# Altium PCB mainboard3.PcbDoc (part 1 of 2) (continued)
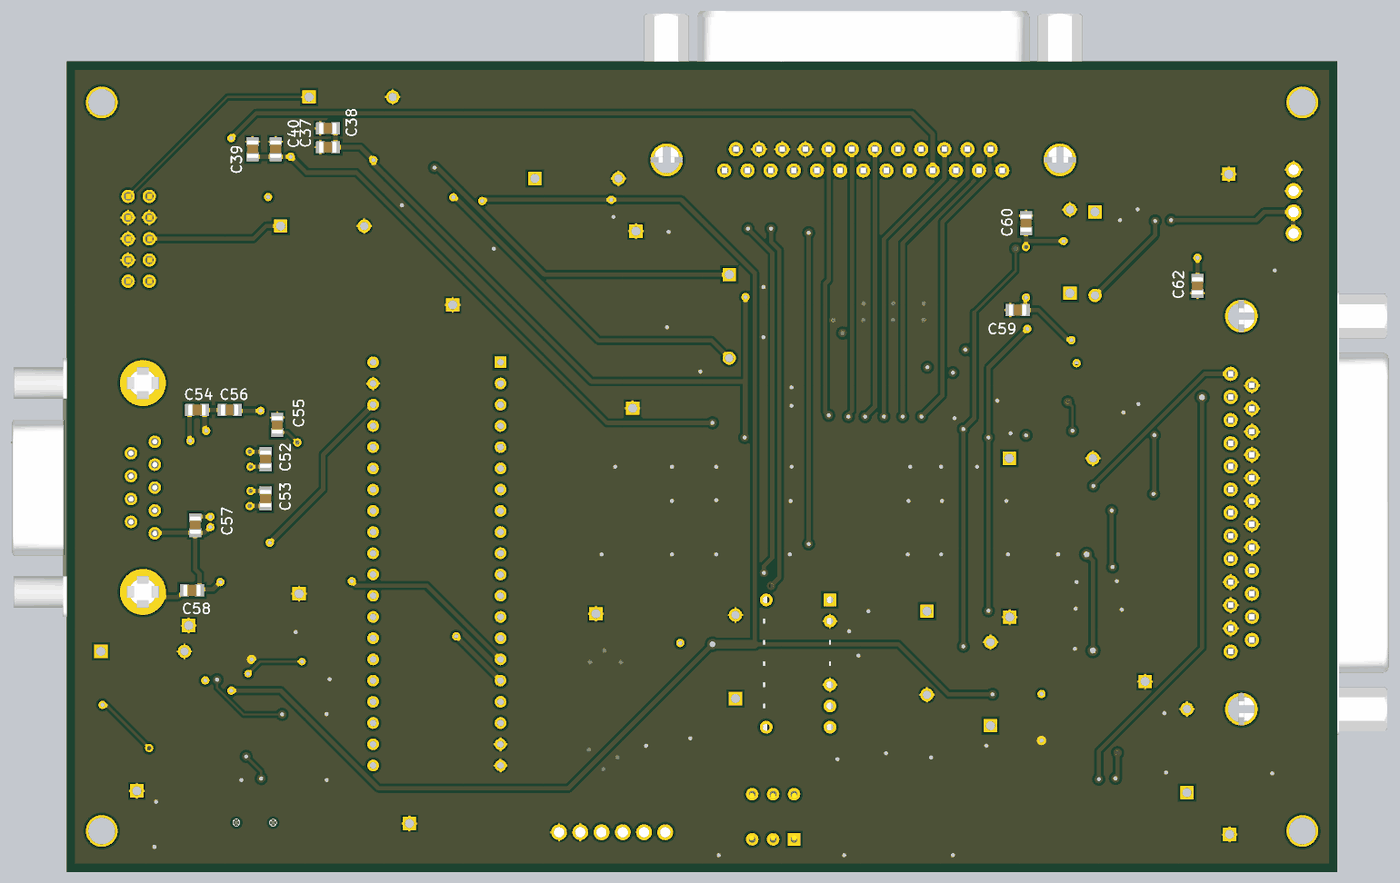
[diagram p6: 3D render of the assembled board from below, using the file's embedded part models]

## Layer stack, top to bottom
Top Solder: solder mask 0.0102, Solder Resist, Dk 3.5
Top Layer: signal copper 0.0356
Dielectric 1: core 0.254, FR-4, Dk 4.2
Signal Layer 1: signal copper 0.036
Dielectric 2: core 0.254, Dk 4.2
Signal Layer 2: signal copper 0.036
Dielectric 3: prepreg 0.127, Dk 4.2
Bottom Layer: signal copper 0.0356
Bottom Solder: solder mask 0.0102, Solder Resist, Dk 3.5

## Board outline
0,0 0,97 152,97 152,0

## Design rules (kind name [scope] priority, off if disabled: settings)
Clearance [All] p1: gap=0.2 ignorepadtopadclearanceinfootprint=TRUE except(0: Arc-Text Track-Text SMDPad-Text THPad-Text Via-Text Fill-Text Poly-Text Region-Text Text-Text Text-Hole; 0.16: Track-Track Track-SMDPad SMDPad-SMDPad; 0.3: Arc-Poly Track-Poly SMDPad-Poly THPad-Poly Via-Poly Fill-Poly Poly-Poly Poly-Region Poly-Hole)
HoleSize [All] p1: absolutevalues=TRUE maxlimit=25.4 minlimit=0.025 maxpercent=80.000 minpercent=20.000
HoleToHoleClearance [All] p1: gap=0.15 allowstackedmicrovias=TRUE
PlaneConnect [All] p1: pad.planeconnectstyle=Relief pad.reliefexpansion=0.508 pad.reliefentries=4 pad.reliefconductorwidth=0.254 pad.reliefairgap=0.254 via.planeconnectstyle=Direct via.reliefexpansion=0.508 via.reliefentries=4 via.reliefconductorwidth=0.254 via.reliefairgap=0.254
PolygonConnect [All] p1: thpad.connectstyle=Relief thpad.reliefconductorwidth=0.254 thpad.reliefentries=4 thpad.polygonreliefangle="90 Angle" thpad.airgapwidth=0.254 smdpad.connectstyle=Relief smdpad.reliefconductorwidth=0.254 smdpad.reliefentries=4 smdpad.polygonreliefangle="90 Angle" smdpad.airgapwidth=0.254 via.connectstyle=Direct via.reliefconductorwidth=0.254 via.reliefentries=4 via.polygonreliefangle="90 Angle" via.airgapwidth=0.254
RoutingVias [All] p1: holewidth=0.5 width=1 viastyle="Through Hole" minholewidth=0.3 minwidth=0.5 maxholewidth=10 maxwidth=10
SilkToSilkClearance [All] p1: silktosilkclearance=0
SilkToSolderMaskClearance [IsPad] p1: minsilkscreentomaskgap=0 clearancetoexposedcopper=TRUE
SolderMaskExpansion [All] p1: expansion=0.102
UnRoutedNet [All] p1: checkbadconnections=TRUE
Width [All] p1: maxlimit=1 minlimit=0.15 preferedwidth=0.5 minimp=50.000000 maximp=50.000000 favimp=50.000000
24 further rules are at their usual default settings.

## Classes and differential pairs
component class U_digital_host_for_ADS1216_power: C1 C2 C3 C4 C5 C6 C7 C8 C9 C10 C11 C12 C13 C14 C15 C16 C17 C18 C19 C20 C21 C22 C23 C31 C32 C42 C43 C44 C45 C46 C47 C59 C60 C61 C62 C63 D1 D2 D3 DA1 DA2 DA3 DA4 DA5 DA6 DA9 DA10 DA11 FU1 J1 J2 K1 L1 L2 L3 R1 R2 R3 R14 R19 R20 R24 R25 R26 R27 R28 R29 R30 R40 R50 R62 R63 R64 R65 R66 R67 TP1 TP2 TP3 TP4 TP5 TP6 TP7 TP11 TP12 VD1
component class multiplexer: C34 C35 C36 C37 C38 C39 C40 C41 C49 C50 C51 DA7 DA8 J5 R12 R13 R15 R16 R17 R18 R32 R33 R34 R35 R36 R37 R38 R39 R41 R42 R43 R44 R45 R46 R47 R52 R53 R54 R55 R56 R57 R58 R59 R60 R61 TP8 TP9 TP10
component class digital_host_for_ADS1216_main: C24 C25 C26 C27 C28 C29 C30 C33 C52 C53 C54 C55 C56 C57 C58 C? DD1 DD2 J4 J6 J7 jc L4 R21 R22 R23 R48 R49 R69 TP13 TP14 TP15 TP16 TP17 TP18 TP19 TP20 TP21 TP22 TP23 TP24 U1
component class "connector to SPI ADS": C48 J3 R4 R5 R6 R7 R8 R9 R10 R11 R51

## Components (designator, comment, footprint, x,y, rotation, side; value= is the part's Value field where it differs from the comment)
C1 "0.1" CAPC2012X90N 55.8,20.7 r90 top
C2 "0.1" CAPC2012X90N 58,20.7 r90 top
C3 "0.1" CAPC2012X90N 53.4,28.9 r0 top
C4 "0.1" CAPC2012X90N 53.4,31.3 r0 top
C5 "0.1" CAPC2012X90N 38.19,54.324 r0 top
C6 "0.1" CAPC2012X90N 58,16.7 r270 top
C7 "0.1" CAPC2012X90N 55.8,16.7 r270 top
C8 "0.1" CAPC2012X90N 44.7,16.5 r270 top
C9 "0.1" CAPC2012X90N 46.9,16.5 r270 top
C10 "0.1" CAPC2012X90N 38.19,56.524 r180 top
C11 "0.1" CAPC2012X90N 39.39,58.824 r180 top
C12 "0.1" CAPC2012X90N 80.4,13.2 r90 top
C13 "0.1" CAPC2012X90N 78.1,13.2 r90 top
C14 "0.1" CAPC2012X90N 75.7,18.4 r0 top
C15 "0.1" CAPC2012X90N 75.7,20.8 r0 top
C16 "0.1" CAPC2012X90N 33.05,12.5 r0 top
C17 "0.1" CAPC2012X90N 33.05,14.683 r180 top
C18 "0.1" CAPC2012X90N 33.05,16.867 r180 top
C19 "0.1" CAPC2012X90N 147.9,13.1 r0 top
C20 "0.1" CAPC2012X90N 147.9,15.3 r180 top
C21 "0.1" CAPC2012X90N 147.8,17.6 r180 top
C22 "0.1" CAPC2012X90N 19.75,74 r180 top
C23 "0.1" CAPC2012X90N 27.5,62.75 r270 top
C24 "0.1" CAPC2012X90N 134.45,25.525 r270 top
C25 "0.1" CAPC2012X90N 122.15,16.3 r270 top
C26 "0.1" CAPC2012X90N 124,12.5 r0 top
C27 "0.1" CAPC2012X90N 131.9,24.575 r270 top
C28 "0.1" CAPC2012X90N 124.95,20.5 r0 top
C29 "0.1" CAPC2012X90N 129.5,20.5 r180 top
C30 "0.1" CAPC2012X90N 138.2,8.4 r180 top
C31 "0.1" CAPC2012X90N 58.25,31.75 r90 top
C32 "0.1" CAPC2012X90N 80.5,26.5 r90 top
C33 "0.1" CAPC2012X90N 122.4,24.225 r90 top
C34 "0.1" CAPC2012X90N 67.5,59 r270 top
C35 "0.1" CAPC2012X90N 77.7,63.4 r270 top
C36 "0.1" CAPC2012X90N 81.5,70.25 r180 top
C37 "0.1" CAPC2012X90N 120.75,86.75 r180 bottom
C38 "0.1" CAPC2012X90N 120.75,89 r180 bottom
C39 "0.1" CAPC2012X90N 129.75,86.5 r270 bottom
C40 "0.1" CAPC2012X90N 127,86.5 r270 bottom
C41 "0.1" CAPC2012X90N 108,86.9 r90 top
C42 "0.1" CAPC2012X90N 75.75,29.75 r0 top
C43 "0.1" CAPC2012X90N 98.5,83.75 r270 top
C44 "0.1" CAPC2012X90N 33.4,65.7 r90 top
C45 "0.1" CAPC2012X90N 36.35,67.3 r180 top
C46 "0.1" CAPC2012X90N 35.6,79 r0 top
C47 "0.1" CAPC2012X90N 38.4,79.8 r90 top
C48 "0.1" CAPC2012X90N 11,12 r0 top
C49 "0.1" CAPC2012X90N 80,79.55 r90 top
C50 "0.1" CAPC2012X90N 111.2,85.1 r90 top
C51 "0.1" CAPC2012X90N 108,80.5 r90 top
C52 "0.1" CAPC2012X90N 128.2,49.4 r270 bottom
C53 "0.1" CAPC2012X90N 128.2,44.7 r270 bottom
C54 "0.1" CAPC2012X90N 136.4,55.3 r180 bottom
C55 "0.1" CAPC2012X90N 126.8,53.5 r90 bottom
C56 "0.1" CAPC2012X90N 132.5,55.3 r180 bottom
C57 "0.1" CAPC2012X90N 136.6,41.5 r90 bottom
C58 "0.1" CAPC2012X90N 137,33.7 r180 bottom
C59 "0.1" CAPC2012X90N 38.25,67.25 r0 bottom
C60 "0.1" CAPC2012X90N 37.25,77.65 r90 bottom
C61 "0.1" CAPC2012X90N 25.75,69.5 r90 top
C62 "0.1" CAPC2012X90N 16.75,70.15 r90 bottom
C63 "0.1" CAPC2012X90N 21,65.25 r180 top
D1 "BAT45S" SOT-23 100.71,79.484 r90 top
D2 "BAT45S" SOT-23 39.25,21.25 r180 top
D3 "BAT45S" SOT-23 136.89,22.916 r270 top
DA1 "DCP010515" NVA7 68.32,17.32 r0 top
DA2 "REG1045V" SOT223_6-127 30.99,57.48 r90 top value=5V
DA3 "REG1045V" SOT223_6-127 25.15,15.5 r90 top value=5V
DA4 "DCP010515" SOIC127P1033X265-12_28N 87.8,19.3 r0 top
DA5 "REG1045V" SOT223_6-127 140.986,16.15 r90 top value=5V
DA6 "MAX61264V096" SO8 16.75,71.79 r0 top value=4V096
DA7 "MAX3375V" SOIC127P1030X265-28N 54.75,67.5 r270 top value=5V
DA8 "OPA4277" SOIC14 120,85.5 r0 top
DA9 "OPA4277" SOIC14 38.5,73.6 r90 top
DA10 "ADP7118ADJ" SOT95P270X145-5N 92.75,79.5 r0 top value=ADJ
DA11 "MAX61622V048" SO8 18.25,62.77 r0 top value=2V048
DD1 "FT234XD" DFN_12-045 128.5,23.35 r180 top
DD2 "ADM3251" SOIC127P1032X265-20N 127.6,47 r0 top (schematic designator DA11)
FU1 "MF-MSMF020" MSMF020 96,86.5 r180 top
J1 "Family" MOLEX_22-27-2061 86.75,4.75 r0 top value=WF6
J2 "Family" MOLEX_22-27-2041 5.25,80.23 r90 top value=WF4
J3 "Family" TYCO_3-1634586-2 11.5,43 r90 top
J4 "=Family" 3M_N2510-6002RB 143.378,75.782 r90 top
J5 "Family" TYCO_3-1634582-2 56.715,85.23 r0 top
J6 "USB_mini" TYCO_1734035-1 129.5,8.5 r0 top
J7 "=Family" TYCO_5747844-5 142.878,46.01 r270 top
K1 "MSB850" MSB850 67.5,6.6 r90 top
L1 "INDM4532X340N" INDM4532X340N 52.4,24.1 r90 top
L2 "INDM4532X340N" INDM4532X340N 51.3,17.4 r180 top
L3 "INDM4532X340N" INDM4532X340N 74.8,13.9 r90 top
L4 "1k" RESC2012X50N 124.925,16.325 r270 top
R1 "1k" RESC2012X70N 34.25,62.5 r0 top
R2 "1k" RESC2012X70N 33.05,19 r180 top
R3 "1k" RESC2012X70N 143,21.5 r0 top
R4 "1k" RESC2012X70N 21,26.5 r180 top
R5 "1k" RESC2012X70N 21,39.7 r180 top
R6 "1k" RESC2012X70N 21,43 r180 top
R7 "1k" RESC2012X70N 21,29.8 r180 top
R8 "1k" RESC2012X70N 21,33.1 r180 top
R9 "1k" RESC2012X70N 21,36.4 r180 top
R10 "1k" RESC2012X70N 17.5,51 r90 top
R11 "1k" RESC2012X70N 21,49.943 r0 top
R12 "1k" RESC2012X70N 46.8,56.775 r90 top
R13 "1k" RESC2012X70N 62.25,79.5 r90 top
R14 "1k" RESC2012X70N 89,79.5 r270 top
R15 "1k" RESC2012X70N 65,79.5 r90 top
R16 "1k" RESC2012X70N 67.75,79.5 r90 top
R17 "1k" RESC2012X70N 73.25,79.5 r90 top
R18 "1k" RESC2012X70N 70.5,79.5 r90 top
R19 "1k" RESC2012X70N 96.75,79.5 r90 top
R20 "1k" RESC2012X70N 99.75,77.5 r180 top
R21 "51" RESC2012X70N 130.5,16.25 r270 top
R22 "51" RESC2012X70N 127.7,16.25 r270 top
R23 "1k" RESC2012X70N 138.15,3 r180 top
R24 "0" RESC2012X70N 45.7,31.2 r180 top
R25 "0" RESC2012X70N 34,52.5 r0 top
R26 "0" RESC2012X70N 44.75,24.25 r90 top
R27 "0" RESC2012X70N 74.8,23.8 r90 top
R28 "0" RESC2012X70N 27.55,9.5 r0 top
R29 "0" RESC2012X70N 147.2,22.2 r180 top
R30 "0" RESC2012X70N 20.85,79.45 r180 top
R32 "10k" RESC2012X70N 132.3,81.69 r90 top
R33 "1k" RESC2012X70N 66.5,62.5 r180 top
R34 "1k" RESC2012X70N 59.5,79.5 r90 top
R35 "1k" RESC2012X70N 56.75,79.5 r90 top
R36 "1k" RESC2012X70N 54,79.5 r90 top
R37 "1k" RESC2012X70N 51.5,79.5 r90 top
R38 "1k" RESC2012X70N 49,79.5 r90 top
R39 "1k" RESC2012X70N 46.25,79.5 r90 top
R40 "0" RESC2012X70N 44.3,71.6 r270 top value=1k
R41 "1k" RESC2012X70N 60.75,57.25 r270 top
R42 "1k" RESC2012X70N 58.5,57.25 r270 top
R43 "1k" RESC2012X70N 76.75,68.5 r180 top
R44 "1k" RESC2012X70N 56.5,57.25 r270 top
R45 "1k" RESC2012X70N 54.25,57.25 r270 top
R46 "1k" RESC2012X70N 52,57.25 r270 top
R47 "1k" RESC2012X70N 49.75,57.25 r270 top
R48 "10k" RESC2012X70N 130.9,59 r0 top (schematic designator R68)
R49 "0" RESC2012X70N 131.4,34.8 r0 top (schematic designator R69)
R50 "0" RESC2012X70N 59.95,4 r0 top value=1k (schematic designator R70)
R51 "1k" RESC2012X70N 11,72 r0 top
R52 "1k" RESC2012X70N 25,85 r0 top
R53 "10k" RESC2012X70N 129.7,81.69 r270 top
R54 "10k" RESC2012X70N 132.3,85.4 r90 top
R55 "10k" RESC2012X70N 126.3,82.96 r90 top
R56 "10k" RESC2012X70N 126.6,89 r270 top
R57 "10k" RESC2012X70N 109,91.05 r90 top
R58 "10k" RESC2012X70N 128.8,90.1 r90 top
R59 "10k" RESC2012X70N 131.1,90.1 r270 top
R60 "20M" RESC2012X70N 66.25,66 r90 top
R61 "20M" RESC2012X70N 65.5,73.75 r90 top
R62 "0" RESC2012X70N 39,64.25 r90 top value=1k
R63 "0" RESC2012X70N 41.4,64.3 r90 top value=1k
R64 "0" RESC2012X70N 42,68.4 r0 top value=1k
R65 "0" RESC2012X70N 25.1,82.4 r0 top value=1k
R66 "0" RESC2012X70N 42.5,79 r180 top value=1k
R67 "0" RESC2012X70N 44.6,75.6 r90 top value=1k
TP1 "OSC_TP" TP2 49.1,31.2 r270 top
TP2 "OSC_TP" TP2 39.25,49.5 r180 top
TP3 "OSC_TP" TP2 41.5,17.5 r90 top
TP4 "OSC_TP" TP2 18,9.5 r90 top
TP5 "OSC_TP" TP2 72,20.75 r90 top
TP6 "OSC_TP" TP2 147.9,26.4 r180 top
TP7 "OSC_TP" TP2 32,69.27 r90 top locked
TP8 "OSC_TP" TP2 126.4,77.3 r180 top
TP9 "OSC_TP" TP2 123,92.75 r180 top
TP10 "OSC_TP" TP2 72.75,71.5 r270 top
TP11 "OSC_TP" TP2 96,83 r180 top
TP12 "OSC_TP" TP2 29,79 r270 top locked
TP13 "GND" TP1 12.9,4.5 r90 top
TP14 "GND" TP1 84.3,55.5 r90 top
TP15 "GND" TP1 83.9,76.7 r90 top
TP16 "GND" TP1 105.816,67.869 r90 top
TP17 "GND" TP1 23,22.8 r90 top
TP18 "GND" TP1 143.6,9.7 r90 top
TP19 "GND" TP1 13,83.5 r90 top
TP20 "GND" TP1 88.7,30.9 r90 top
TP21 "GND" TP1 39.2,30.5 r90 top
TP22 "GND" TP1 111,5.8 r90 top
TP23 "GND" TP1 124.2,33.3 r90 top
TP24 "GND" TP1 137.4,29.5 r90 top
U1 "board STM32F103C8" blue_pill 100.1,61 r0 top value=STM32
VD1 "5V_IN" LED0603 55,4 r0 top

## Footprints (in the part's own frame and the unit in brackets; to place one, negate y for a bottom-side part, rotate by r counter-clockwise, add the part's x,y. Pads: shape width x height; smd on the part's side, far side on the other; paste and mask are expansions set on the pad)
3M_N2510-6002RB [mm] "10 Contacts - Straight .100\" x .100\" Low Profile Four-Wall Header"
  round 1.6 hole 1: 1(-5.08,-1.27) 2(-5.08,1.27) 3(-2.54,-1.27) 4(-2.54,1.27) 5(0,-1.27) 6(0,1.27) 7(2.54,-1.27) 8(2.54,1.27) 9(5.08,-1.27) 10(5.08,1.27)
  silkscreen extent -10.01,-4.85 10.01,4.52, body extent -10.01,-4.06 10.01,4.57, height 9.65
blue_pill [mm] "STM 32F103 board"
  rect 1.4x1.4 hole 0.8: 1(0,0)
  round 1.4 hole 0.8: 2(0,-2.54) 3(0,-5.08) 4(0,-7.62) 5(0,-10.16) 6(0,-12.7) 7(0,-15.24) 8(0,-17.78) 9(0,-20.32) 10(0,-22.86) 11(0,-25.4) 12(0,-27.94) 13(0,-30.48) 14(0,-33.02) 15(0,-35.56) 16(0,-38.1) 17(0,-40.64) 18(0,-43.18) 19(0,-45.72) 20(0,-48.26) 21(15.24,-48.26) 22(15.24,-45.72) 23(15.24,-43.18) 24(15.24,-40.64) 25(15.24,-38.1) 26(15.24,-35.56) 27(15.24,-33.02) 28(15.24,-30.48) 29(15.24,-27.94) 30(15.24,-25.4) 31(15.24,-22.86) 32(15.24,-20.32) 33(15.24,-17.78) 34(15.24,-15.24) 35(15.24,-12.7) 36(15.24,-10.16) 37(15.24,-7.62) 38(15.24,-5.08) 39(15.24,-2.54) 40(15.24,0)
  silkscreen extent -4.38,-51.13 19.62,2.87, body extent -3.81,-50.8 19.05,2.54, height 20
CAPC2012X90N [mm] "Chip Capacitor, Body 2.0x1.25mm, IPC Medium Density"
  rect 1.1x1.45 smd: 1(-0.9,0) 2(0.9,0)
  body extent -1.05,-0.67 1.05,0.68, height 0.9
DFN_12-045 [mm] "0.45mm pitch 12pin"
  rect 0.8x0.25 smd: 1(0,0) 2(0,-0.45) 3(0,-0.9) 4(0,-1.35) 5(0,-1.8) 6(0,-2.25) 7(3,-2.25) 8(3,-1.8) 9(3,-1.35) 10(3,-0.9) 11(3,-0.45) 12(3,0)
  rect 1.6x4 smd: 13(1.5,-1.15)
  silkscreen extent -1.15,-3.4 3.55,1.17, body extent 0,-2.63 3,0.38, height 0.75
INDM4532X340N [mm] "Inductor, Molded Body; 4.5mm L X 3.2mm W, IPC Medium Density"
  rect 1.6x2.1 smd: 1(-2.1,0) 2(2.1,0)
  silkscreen extent -2.25,-1.6 2.25,1.6, body extent -2.25,-1.6 2.25,1.6, height 3.4
LED0603 [mm] "Chip LED 0603, Body 2.25x1mm"
  rect 0.8x1 smd: 1(-0.6,0) 2(1.05,0)
  silkscreen extent 0,-0.5 0,0.5, body extent -0.67,-0.48 1.22,0.48, height 0.95
MOLEX_22-27-2041 [mm] "2.54mm (.100\") Pitch KK® Header, Single Row, Vertical, 4 Circuits"
  round 1.9 hole 1.2: 1(-3.81,0) 2(-1.27,0) 3(1.27,0) 4(3.81,0)
  silkscreen extent -5.08,-2.88 5.08,2.92, body extent -5.08,-2.88 5.08,2.92, height 11.7
MOLEX_22-27-2061 [mm] "2.54mm (.100\") Pitch KK® Header, Single Row, Vertical, 6 Circuits"
  round 1.9 hole 1.2: 1(-6.35,0) 2(-3.81,0) 3(-1.27,0) 4(1.27,0) 5(3.81,0) 6(6.35,0)
  silkscreen extent -7.62,-2.9 7.62,2.9, body extent -7.62,-2.9 7.62,2.9, height 11.7
MSB850 [mm] "Body 8.8x8.8mm, Straight PCB Mounting  SubminiatureToggle SPDT Switch"
  rect 1.5x1.5 hole 0.8: 1(-2.7,2.5)
  round 1.5 hole 0.8: 2(-2.7,0) 3(-2.7,-2.5) 4(2.7,-2.5) 5(2.7,0) 6(2.7,2.5)
  silkscreen extent -4.4,-4.4 4.4,4.4, body extent -4.39,-4.39 4.39,4.39, height 19.26
MSMF020 [mm]
  rect 1.5x3.2 smd: 1(0,0) 2(4.14,0)
  silkscreen extent -1.16,-2 5.34,1.9, body extent -0.29,-1.7 4.44,1.71, height 1.6
NVA7 [mil]
  rect 60x60 hole 32: 1(-300,600)
  round 60 hole 32: 2(-300,500) 5(-300,200) 6(-300,100) 7(-300,0) 8(0,0) 14(0,600)
  silkscreen extent -290,-88 -10,688, body extent -305,-87 15,687, height 215
RESC2012X50N [mm] "Chip Resistor, EIA 0805, Metric 2012, Body 2.0x1.25mm, IPC Medium Density"
  rect 0.95x1.45 smd: 1(-1,0) 2(1,0)
  silkscreen extent 0,-0.55 0,0.55, body extent -1.1,-0.67 1.1,0.68, height 0.5
RESC2012X70N [mm] "Chip Resistor, EIA 0805, Metric 2012, Body 2.0x1.25mm, IPC Medium Density"
  rect 1.05x1.4 smd: 1(-0.95,0) 2(0.95,0)
  silkscreen extent 0,-0.55 0,0.55, body extent -1.1,-0.67 1.1,0.68, height 0.7
SO8 [mil] "SOIC 8, Pitch 1.27mm - Body 4x5mm, IPC Medium Density"
  rect 80x26 smd: 1(0,0) 2(0,-50) 3(0,-100) 4(0,-150) 5(220,-150) 6(220,-100) 7(220,-50) 8(220,0)
  silkscreen extent -75,25 -50,50, body extent -16,-173 228,23, height 69
SOIC14 [mil] "SOIC 14, Pitch 1.27mm - Body 4x8.75mm, IPC Medium Density"
  rect 80x26 smd: 1(-106.3,150) 2(-106.3,100) 3(-106.3,50) 4(-106.3,0) 5(-106.3,-50) 6(-106.3,-100) 7(-106.3,-150) 8(113.7,-150) 9(113.7,-100) 10(113.7,-50) 11(113.7,0) 12(113.7,50) 13(113.7,100) 14(113.7,150)
  silkscreen extent -99,-173 57,188, body extent -119,-172 126,172, height 69
SOIC127P1030X265-28N [mm] "SOIC,1.27mm, Pitch;28 Pin, 7.50mm W X 17.90mm L X 2.65mm H body, IPC Medium Density"
  rect 2.5x0.6 smd: 1(-5.05,8.255) 2(-5.05,6.985) 3(-5.05,5.715) 4(-5.05,4.445) 5(-5.05,3.175) 6(-5.05,1.905) 7(-5.05,0.635) 8(-5.05,-0.635) 9(-5.05,-1.905) 10(-5.05,-3.175) 11(-5.05,-4.445) 12(-5.05,-5.715) 13(-5.05,-6.985) 14(-5.05,-8.255) 15(5.05,-8.255) 16(5.05,-6.985) 17(5.05,-5.715) 18(5.05,-4.445) 19(5.05,-3.175) 20(5.05,-1.905) 21(5.05,-0.635) 22(5.05,0.635) 23(5.05,1.905) 24(5.05,3.175) 25(5.05,4.445) 26(5.05,5.715) 27(5.05,6.985) 28(5.05,8.255)
  silkscreen extent -5.52,-8.95 3.32,9.23, body extent -5.18,-8.95 5.18,8.95, height 2.65
SOIC127P1032X265-20N [mm] "SOIC, 1.27mm pitch; 20 pin, 7.50mm W X 12.80mm L X 2.65mm H body, IPC Medium Density"
  rect 2.2x0.6 smd: 1(-5.15,5.715) 2(-5.15,4.445) 3(-5.15,3.175) 4(-5.15,1.905) 5(-5.15,0.635) 6(-5.15,-0.635) 7(-5.15,-1.905) 8(-5.15,-3.175) 9(-5.15,-4.445) 10(-5.15,-5.715) 11(5.15,-5.715) 12(5.15,-4.445) 13(5.15,-3.175) 14(5.15,-1.905) 15(5.15,-0.635) 16(5.15,0.635) 17(5.15,1.905) 18(5.15,3.175) 19(5.15,4.445) 20(5.15,5.715)
  silkscreen extent -5.52,-6.4 3.32,6.67, body extent -5.18,-6.5 5.18,6.5, height 1.68
SOIC127P1033X265-12_28N [mm] "SOIC, Pitch 1.27mm; 12 Pin of 28, 7.50mm W X 17.90mm L X 2.65mm H body, IPC Medium Density"
  rect 2x0.6 smd: 1(-4.65,8.255) 2(-4.65,6.985) 3(-4.65,5.715) 12(-4.65,-5.715) 13(-4.65,-6.985) 14(-4.65,-8.255) 15(4.65,-8.255) 16(4.65,-6.985) 17(4.65,-5.715) 26(4.65,5.715) 27(4.65,6.985) 28(4.65,8.255)
  silkscreen extent -5.52,-8.95 3.32,9.22, body extent -5.18,-9.05 5.18,9.05, height 1.68
SOT95P270X145-5N [mm] "SOT, 0.95mm Pitch; 5 Pin,1.55mm W X 2.90mm L X 1.45mm H body, IPC Medium Density"
  rect 1.25x0.6 smd: 1(-1.35,0.95) 2(-1.35,0) 3(-1.35,-0.95) 4(1.35,-0.95) 5(1.35,0.95)
  silkscreen extent -1.82,-1.45 0.4,1.87, body extent -1.35,-1.45 1.35,1.45, height 1.45
SOT223_6-127 [mil] "1.27mm pitch 20pin = DCQ6-M(ti)"
  rect 24x93 smd paste+0 mask+0: 1(-100,-118.5) 2(-50,-118.5) 3(0,-118.5) 4(50,-118.5) 5(100,-118.5)
  rect 157.48x157.48 smd: 6(0,90)
  silkscreen extent -134,-103 134,75, body extent -129,-143 129,143, height 71
SOT-23 [mil]
  rect 44x44 smd: 1(0,0) 2(80,0) 3(40,87)
  body extent -22,-4 96,94, height 43
TP1 [mm]
  rect 1.6x1.6 hole 1.1: 1(0,0)
TP2 [mm]
  rect 1.6x1.6 hole 1.1: 1(0,0)
  round 1.6 hole 1: 2(10,0)
  silkscreen extent -1.27,-1.27 11,1.27
TYCO_3-1634582-2 [mm] "Right Angle 25 Male Contacts D-SUB Connector With Boardlock and 4-40 UNC Screwlocks"
  round 1.7 hole 1: 1(16.62,-1.27) 2(13.85,-1.27) 3(11.08,-1.27) 4(8.31,-1.27) 5(5.54,-1.27) 6(2.77,-1.27) 7(0,-1.27) 8(-2.77,-1.27) 9(-5.54,-1.27) 10(-8.31,-1.27) 11(-11.08,-1.27) 12(-13.85,-1.27) 13(-16.62,-1.27) 14(15.235,1.27) 15(12.465,1.27) 16(9.695,1.27) 17(6.925,1.27) 18(4.155,1.27) 19(1.385,1.27) 20(-1.385,1.27) 21(-4.155,1.27) 22(-6.925,1.27) 23(-9.695,1.27) 24(-12.465,1.27) 25(-15.235,1.27)
  round 3.9 hole 3.2: 26(-23.52,0) 27(23.52,0)
  silkscreen extent -26.57,-4.55 26.53,17.8, body extent -26.57,-3.08 26.53,17.8, height 13.57
TYCO_3-1634586-2 [mm] "Right Angle 25 Female Contacts D-SUB Connector With Boardlock and 4-40 UNC Screwlocks"
  round 1.7 hole 1: 1(-16.62,-1.27) 2(-13.85,-1.27) 3(-11.08,-1.27) 4(-8.31,-1.27) 5(-5.54,-1.27) 6(-2.77,-1.27) 7(0,-1.27) 8(2.77,-1.27) 9(5.54,-1.27) 10(8.31,-1.27) 11(11.08,-1.27) 12(13.85,-1.27) 13(16.62,-1.27) 14(-15.235,1.27) 15(-12.465,1.27) 16(-9.695,1.27) 17(-6.925,1.27) 18(-4.155,1.27) 19(-1.385,1.27) 20(1.385,1.27) 21(4.155,1.27) 22(6.925,1.27) 23(9.695,1.27) 24(12.465,1.27) 25(15.235,1.27)
  round 3.9 hole 3.2: 26(-23.52,0) 27(23.52,0)
  silkscreen extent -26.55,-4.55 26.55,17.6, body extent -26.55,-3.28 26.55,17.6, height 13.57
TYCO_1734035-1 [mm] "SMD, Right Angle, 5 Position, Type B, Mini USB Receptacle"
  rect 0.5x2.3 smd: 1(-1.575,0) 2(-0.8,0) 3(0,0) 4(0.8,0) 5(1.6,0)
  rect 2x2.5 smd: 6(-4.45,-5.6) 6(-4.45,-0.1) 6(4.45,-5.6) 6(4.45,-0.1)
  round 0.5 hole 0.9 unplated mask+0.2: MTG1(-2.2,-2.6) MTG2(2.2,-2.6)
  silkscreen extent -4.35,-8.5 4.35,0.7, body extent -4.95,-8.5 4.95,0.7, height 4.14
TYCO_5747844-5 [mm] "Right Angle 9 Female Contacts D-SUB Connector With PCB Mount Retention , Grounding Straps, and Fixed UNC 4-40 Female Screwlocks"
  round 1.5 hole 0.9: 1(-5.48,-1.422) 2(-2.74,-1.422) 3(0,-1.422) 4(2.74,-1.422) 5(5.48,-1.422) 6(-4.11,1.422) 7(-1.37,1.422) 8(1.37,1.422) 9(4.11,1.422)
  round 5.5 hole 3.2: 10(-12.495,0) 11(12.495,0)
  silkscreen extent -15.49,-3.19 15.49,15.6, body extent -15.49,-3.18 15.49,15.71, height 12.55

## Part data
C1 C2 C3 C4 C5 C6 C7 C8 C9 C10 C11 C12 C13 C14 C15 C16 C17 C18 C19 C20 C21 C22 C23 C24 C25 C26 C27 C28 C29 C30 C31 C32 C33 C34 C35 C36 C37 C38 C39 C40 C41 C42 C43 C44 C45 C46 C47 C48 C49 C50 C51 C52 C53 C54 C55 C56 C57 C58 C59 C60 C61 C62 C63: library part "Capacitor - non polarized", "Non-polarised capacitor2012", Dielectric type=X5R, SMD Solders=2, SolderOption=0, THD Solders=0, Vendor=any
D1: library part BAT54S, "Serial Shottky Diode", Package=SOT23, Device=BAT45S, SMD Solders=3, THD Sollders=0, Unut Price=10, Vendor=NXP
D2 D3: library part BAT54C, "Common Cathode 2 Shottky Diode", Package=SOT23, Device=BAT45S, SMD Solders=3, THD Sollders=0, Unut Price=10, Vendor=NXP
DA1: library part DCP020515, "DC/DC 5V to isolated +-15V", Copyright="Copyright (C) 2022 Ultra Librarian. All rights reserved.", Price=1000, Vendor="Texas Instruments"
DA2: library part REG104_5V, "Positive LDO Linear stabilizer 5Vin to 3V3Digital", Package=SOT223-6, Device=REG104, SMD Solder=6, SolderOption=0, THD Solder=0, Unit Price=6, Vendor="Texas Instruments"
DA3: library part REG104_5V, "Positive LDO Linear stabilizer 7V to 5V Analog", Package=SOT223-6, Device=REG104, SMD Solder=6, SolderOption=0, THD Solder=0, Unit Price=6, Vendor="Texas Instruments"
DA4: library part DCP020507U, "DC/DC 5V to isolated +-7V", Copyright="Copyright (C) 2022 Ultra Librarian. All rights reserved.", Price=1000, Vendor="Texas Instruments"
DA5: library part REG104_5V, "Positive LDO Linear stabilizer 7V to 5V Digital", Package=SOT223-6, Device=REG104, SMD Solder=6, SolderOption=0, THD Solder=0, Unit Price=6, Vendor="Texas Instruments"
DA6: library part MAX6126, "Positive LDO Linear stabilizer", Package=SOIC_8, Device=MAX6126, SMD Solder=8, SolderOption=0, THD Solder=0, Unit Price=2000, Vendor=Maxim
DA7: library part MAX337, "Positive LDO Linear stabilizer", Package=SOT223-6, Device=MAX337, SMD Solder=6, SolderOption=0, THD Solder=0, Unit Price=6, Vendor="Texas Instruments"
DA8 DA9: "счетверённый ОУ", Voltage=3..30V/+-1.5..+-15V, Bandwidth=1.3MHz, SolderOption=Norm, Vendor="Texas Instruments"
DA10: library part ADP7118, "Positive LDO Linear stabilizer", Package=SOT23-5, Device=ADP7118, SMD Solder=5, SolderOption=0, THD Solder=0, Unit Price=100, Vendor="Analog Devoces"
DA11: library part MAX6162, "Reference LDO Linear stabilizer", Package=SOIC_8, Device=MAX6162, SMD Solder=8, SolderOption=0, THD Solder=0, Unit Price=2000, Vendor=Maxim
DD1: "USB-UART driver", Package=DFN_12-0.45, Device=FT234XD, SMD Solders=7, THD Solders=0, Unit Price=2, Vendor=FTDI
DD2: "Driver UART-RS232", Package=SOICW20, Device=ADM3251, SMD Solder=20, SolderOption=0, THD Solder=0, Unit_Price=1200, Unit Price=6, Vendor="Analog Devices"
FU1: library part MF-MSMF, "Предохранитель самовосстанавливающийся", Price=20, SolderOption=Norm, Vendor=Bourns
J1: library part WF6, "Connector 4 Male", SMD Solders=0, SolderOption=0, THD Solders=4, Vendor=Molex
J2: library part WF4, "Connector 4 Male", SMD Solders=0, SolderOption=0, THD Solders=4, Vendor=Molex
J3: library part "Connector 25 Female", "Connector 25 Female", SMD Solders=0, Solder Option=0, THD Solders=25
J4: library part "Connector 10 Male", "Connector 10 Male", SMD Solders=0, THD Solders=10
J5: library part "Connector 25 Male", "Connector 25 Male", SMD Solders=0, Solder Option=0, THD Solders=27
J6: "Вилка  PLS 6x2.54", Price=50, SolderOption=Norm, Vendor="TE Connectivity"
J7: library part "Connector 9 Female", "Connector 9 Female", SMD Solders=0, Solder Option=0, THD Solders=11
K1: "Кнопка с фиксацией 2xSPDT", Price=1, SolderOption=Norm
L1 L2 L3: "SMD Дроссель", Inductance=220uH, Curent=0.5A, Price=100, Vendor=Sumida
L4: library part BLM21, "SMD Ferrite bead 0805", Package=SMD0805, Device=BLM21, Unit Price=0.1, Vendor=Vishay
R1 R2 R3 R4 R5 R6 R7 R8 R9 R10 R11 R12 R13 R14 R15 R16 R17 R18 R19 R20 R21 R22 R23 R24 R25 R26 R27 R28 R29 R30 R32 R33 R34 R35 R36 R37 R38 R39 R40 R41 R42 R43 R44 R45 R46 R47 R48 R49 R50 R51 R52 R53 R54 R55 R56 R57 R58 R59 R60 R61 R62 R63 R64 R65 R66 R67: library part "Resistor - 5%", "Resistor - 5%", Tolerance=5%, SMD Solders=2, THD Solders=0, Vendor=any
  R1 R2 R3 R4 R5 R6 R7 R8 R9 R10 R11 R12 R13 R14 R15 R16 R17 R18 R19 R20 R23 R32 R33 R34 R35 R36 R37 R38 R39 R40 R41 R42 R43 R44 R45 R46 R47 R50 R51 R52 R53 R54 R55 R56 R57 R58 R59 R60 R61 R62 R63 R64 R65 R66 R67: SolderOption=0, TK=1000ppmC^(-1)
  R21 R22 R48 R49: SolderOption=0, TK=100ppmC^(-1)
  R24 R25 R26 R27 R28 R29 R30: SolderOption=NP, TK=1000ppmC^(-1)
TP1 TP2 TP3 TP4 TP5 TP6 TP7 TP8 TP9 TP10 TP11 TP12: library part OscTP, "Контрольная точка для подключения осциллографа короткой землёй", Price=0, SolderOption=PCB, Vendor=PCB
TP13 TP14 TP15 TP16 TP17 TP18 TP19 TP20 TP21 TP22 TP23 TP24: library part TP, "Контрольная точка", Price=0, SolderOption=PCB, Vendor=PCB
U1: library part "Blue Pill", "Blue Pill board", Pkg=DIP40, SMD Solders=0, SolderOption=0, THD Solders=40, Vendor=STM
VD1: library part LED0603, "Чип светодиод 0603", Color=Green, Price=20, SolderOpton=Norm, Vendor=KB

## Free pads (board coordinates)
  round 3.8 hole 3.2: 0(4.2,4.9) 0(4.2,92.1) 0(147.8,4.9) 0(147.8,92.1)

## Via types
v1: diameter 1, hole 0.5, Top Layer to Bottom Layer, tented both sides, 121 vias
v2: diameter 1, hole 0.5, Top Layer to Bottom Layer, 35 vias
v3: diameter 0.9, hole 0.5, Top Layer to Bottom Layer, 4 vias
v4: diameter 1.27, hole 0.711, Top Layer to Bottom Layer, tented both sides, 4 vias

## Nets (pads, with @x,y where several pads share a name; then routed paths per layer and width w, separated by ;. In a path a pad name is that pad's centre, name@x,y a point inside that pad or via, vN(x,y) a via of type N, cw(c..) or ccw(c..) an arc to the next point about the centre after c; other vN are vias at no path point)
2V05: DA7.4 DA7.25 DA7.26 J2.1 J2.2 J4.4 R30.2 | length 164.7
  Top Layer w0.5: v1(19.9,78) R30.2@19.9,79.45 ; DA7.4@59.195,72.55 v1(59.2,64.5) 59.195,64.495 DA7.25@59.195,62.45 DA7.26@60.465,62.45
  Signal Layer 2 w0.5: v1(19.9,78) 19.9,75.1 20.15,75.1 23.875,71.375 59.2,71.375 ; v1(59.2,64.5) 59.2,71.375 ; J4.4@142.107,73.242 142.096,73.254 69.952,73.254 68.073,71.375 59.2,71.375
  Bottom Layer w0.5: J2.1@5.3,76.39 5.3,78.93 5.37,79 8.75,79 9.75,78 v1(19.9,78)
"3V3 Digital": J3.11 R6.1 R11.2 R12.1 R25.2 | length 51.4
  Top Layer w0.5: J3.11@12.77,54.08 12.85,54 19.75,54 20,54 21.725,52.275 v1(21.9,52.275) ; R11.2@21.95,49.943 21.9,49.993 v1(21.9,52.275) ; R25.2@34.95,52.5 35,52.55 35,54 31.5,54 29.775,52.275 v1(21.9,52.275)
  Top Layer w0.508: R6.1@21.95,43 21.95,45.2 v1(22,45.25) ; R25.2@34.95,52.5 36.425,51.025 39.025,51.025 43.825,55.825 R12.1@46.8,55.825
  Bottom Layer w0.254: v1@21.9,45.35 v1(22,45.25) ; v1@21.9,52.05 v1(21.9,52.275)
  Bottom Layer w0.508: v1@21.9,45.35 v1@21.9,52.05
4V096: DA7.5 R40.2 | length 16.8
  Top Layer w0.5: R40.2@44.3,70.7 R40.2@44.3,70.65 44.3,69.924 44.806,69.418 56.318,69.418 57.925,71.025 DA7.5@57.925,72.55
"5V Analog": C22.2 C63.2 DA6.2 DA11.2 J3.12 R28.2 | length 79.2
  Top Layer w0.254: J3.12@12.77,56.85 J3.12@12.82,56.8
  Top Layer w0.5: J3.12@12.82,56.8 v4(16.2,56.8) 16.2,61.2 16.5,61.5 DA11.2@18.25,61.5 19.75,61.5 20.1,61.85 C63.2@20.1,65.25 20.1,68.65 18.75,70 18.75,70.5 ; DA6.2@16.75,70.52 18.73,70.52 18.75,70.5 ; C22.2@18.85,74 18.85,71.35 18.75,71.25 18.75,70.5
  Top Layer w0.508: R28.2@28.5,9.5 28.5,11.05 v1(28.55,11.1)
  Bottom Layer w0.5: v4(16.2,56.8) 16.2,26.8 28.55,14.45 v1(28.55,11.1)
"5V Digital": R29.2 U1.38 | length 48.6
  Top Layer w0.5: v2(127.7,39.4) 131.3,39.4 146.25,24.45 R29.2@146.25,22.2
  Bottom Layer w0.5: U1.38@115.34,55.92 121.31,49.95 121.31,45.79 v2(127.7,39.4)
"5V Hall": FU1.2 J5.14 | length 21.4
  Top Layer w0.5: J5.14@71.93,86.5 73.68,88.25 87.25,88.25 89,86.5 FU1.2@91.86,86.5
5Vin: C5.1 C31.2 C32.2 C55.1 D2.2 D3.1 DA1.1 DA2.1 DA4.1 DD2.2 DD2.3 K1.1 R1.1 R50.2 | length 30
  Top Layer w0.3: DD2.3@122.45,50.175 DD2.2@122.45,51.445 124.355,51.445 v2(124.4,51.4)
  Top Layer w0.5: v2(31.2,60.9) 31.2,61.1 32.6,62.5 R1.1@33.3,62.5 ; DA2.1@34,54.94 35.424,54.94 36.04,54.324 C5.1@37.29,54.324 37.25,54.284 v1(37.25,52.25) ; v2(35.4,21.3) 35.45,21.25 D2.2@37.218,21.25 ; C31.2@58.25,32.65 60.61,32.65 DA1.1@60.7,32.56 ; R50.2@60.9,4 61,3.9 K1.1@65,3.9 K1.1@65,4.5 ; v2(78.6,27.4) C32.2@80.5,27.4 80.655,27.555 DA4.1@83.15,27.555 DA4.1@83.095,27.5 ; v2(135.416,22.916) D3.1@136.89,22.916
  Bottom Layer w0.3: v2(124.4,51.4) 125.6,52.6 C55.1@126.8,52.6 C55.1@126.9,52.6
7V: C42.1 D1.2 D2.1 D3.2 DA10.1 R14.1 R27.2 | length 205.7
  Top Layer w0.254: R27.2@74.7,24.8 74.75,24.8 R27.2@74.8,24.75
  Top Layer w0.5: D2.1@39.25,21.25 v1(41.25,21.25) ; R27.2@74.7,24.45 74.7,24.8 74.75,24.85 v4(74.75,27.25) 74.75,29.65 C42.1@74.85,29.75 ; v2(86.85,80.45) R14.1@89,80.45 DA10.1@91.4,80.45 ; D1.2@100.71,81.516 101.784,81.516 102.3,81 v2(102.3,80.3) ; v2(132.3,21.7) 134.5,21.7 135.316,20.884 D3.2@136.89,20.884
  Bottom Layer w0.5: v1(41.25,21.25) 46.5,21.25 52.5,27.25 69.7,27.25 69.7,71.669 78.481,80.45 v2(86.85,80.45) 102.15,80.45 v2(102.3,80.3) ; v4(74.75,27.25) 92,10 114.675,10 126.375,21.7 v2(132.3,21.7)
  Bottom Layer w1: 69.7,27.25 v4(74.75,27.25)
+15V: C37.2 C38.2 C44.1 C45.1 DA7.1 DA8.4 DA9.4 R24.2 | length 177.3
  Top Layer w0.5: C44.1@33.4,64.8 v2@36.8,64.8 ; v2@37.25,65.25 C45.1@37.25,67.3 38,67.3 38.5,67.8 DA9.4@38.5,70.9
  Top Layer w0.508: v1(41.75,31.25) 44.7,31.25 R24.2@44.75,31.2 ; v1(41.75,52) v1(70.9,52) ; DA7.1@63.005,72.55 63,72.545 63,70.3 64.5,68.8 v2(70.8,68.8) ; v2(115.3,85.2) 115.6,85.2 115.9,85.5 DA8.4@117.3,85.5
  Bottom Layer w0.508: v2(37.1,65) 41.75,60.35 v1(41.75,52) v1(41.75,31.25) ; v2(70.8,68.8) 70.8,52.3 70.7,52.2 v1(70.9,52) 70.9,58.6 71,58.7 89.263,58.7 102.363,71.8 115.3,84.738 v2(115.3,85.2) 116.85,86.75 C37.2@119.85,86.75 C38.2@119.85,89
-15V: C39.2 C40.2 C46.2 C47.1 DA7.27 DA8.11 DA9.11 R26.2 | length 168.9
  Top Layer w0.3: v1(38.5,74.6) DA9.11@38.5,76.488 ; C47.1@38.5,78.9 C47.1@38.6,79
  Top Layer w0.5: C46.2@36.65,79 C47.1@38.6,79 ; DA9.11@38.5,76.488 C47.1@38.5,78.9 ; R26.2@44.75,25.2 v1(44.75,27) ; v1(44.75,53) 62.285,53 ; DA7.27@61.735,62.45 61.735,60.515 62.285,59.965 62.285,53 ; v1(74.75,53.75) 74,53 62.285,53 ; DA8.11@122.888,85.5 125.1,85.5 v2(125.2,85.6)
  Bottom Layer w0.3: v1(38.5,74.6) 38.5,71.9 43.45,66.95
  Bottom Layer w0.5: 43.45,66.95 43.45,54.3 v1(44.75,53) v1(44.75,27) ; v1(74.75,53.75) 87.375,53.75 117.325,83.7 123.3,83.7 v2(125.2,85.6) C40.2@127,85.6 C39.2@129.75,85.6
Buffer: J3.5 U1.13 | length 96.4
  Top Layer w0.508: J3.5@12.77,37.46 12.77,37.504 13.466,38.2 28.208,38.2 29.554,36.854 100.407,36.854 100.507,36.754 100.578,36.754 101.254,36.078 101.254,30.52 U1.13@100.1,30.52
COMA: DA8.1 DA8.2 J4.1 | length 41.2
  Top Layer w0.3: DA8.2@117.3,88.04 119.36,88.04 119.9,87.5 119.9,78.25 122.85,75.3 137.679,75.3 140.97,72.009 143.341,72.009 J4.1@144.647,70.702
  Top Layer w0.5: DA8.2@117.3,88.04 DA8.1@117.3,89.31
COMB: DA8.6 DA8.7 J4.2 | length 32.5
  Top Layer w0.3: DA8.7@117.3,81.69 117.3,78.55 121.95,73.9 136.818,73.9 140.016,70.702 J4.2@142.107,70.702
  Top Layer w0.5: DA8.7@117.3,81.69 DA8.6@117.3,82.96
CS1: J5.4 R15.2 | length 3.5
  Top Layer w0.5: R15.2@65,80.45 65,83.955 J5.4@65.005,83.96
CS2: J5.1 R17.2 | length 3.5
  Top Layer w0.508: R17.2@73.25,80.45 73.315,80.515 J5.1@73.315,83.96
"CS Hall's sensor 1": R15.1 U1.37 | length 61.2
  Top Layer w0.5: R15.1@65,78.55 65,77.75 66.753,75.997 67.551,75.997 70.798,72.75 81.95,72.75 90.6,64.1 100.644,64.1 111.364,53.38 U1.37@115.34,53.38
"CS Hall's sensor 2": R17.1 U1.36 | length 63.7
  Top Layer w0.5: R17.1@73.25,78.55 73.25,77.25 76.75,73.75 82.95,73.75 91.652,65.048 114.251,65.048 117.348,61.951 117.348,52.848 U1.36@115.34,50.84
CS_ADS1216: R9.1 U1.8 | length 85
  Top Layer w0.5: R9.1@21.95,36.4 26.8,36.4 v1(26.9,36.5) ; v1(27,43.25) 100.07,43.25 U1.8@100.1,43.22
  Bottom Layer w0.5: v1(26.9,36.5) 27,36.5 v1(27,43.25)